# KiCad board shimarray.kicad_pcb (continued)
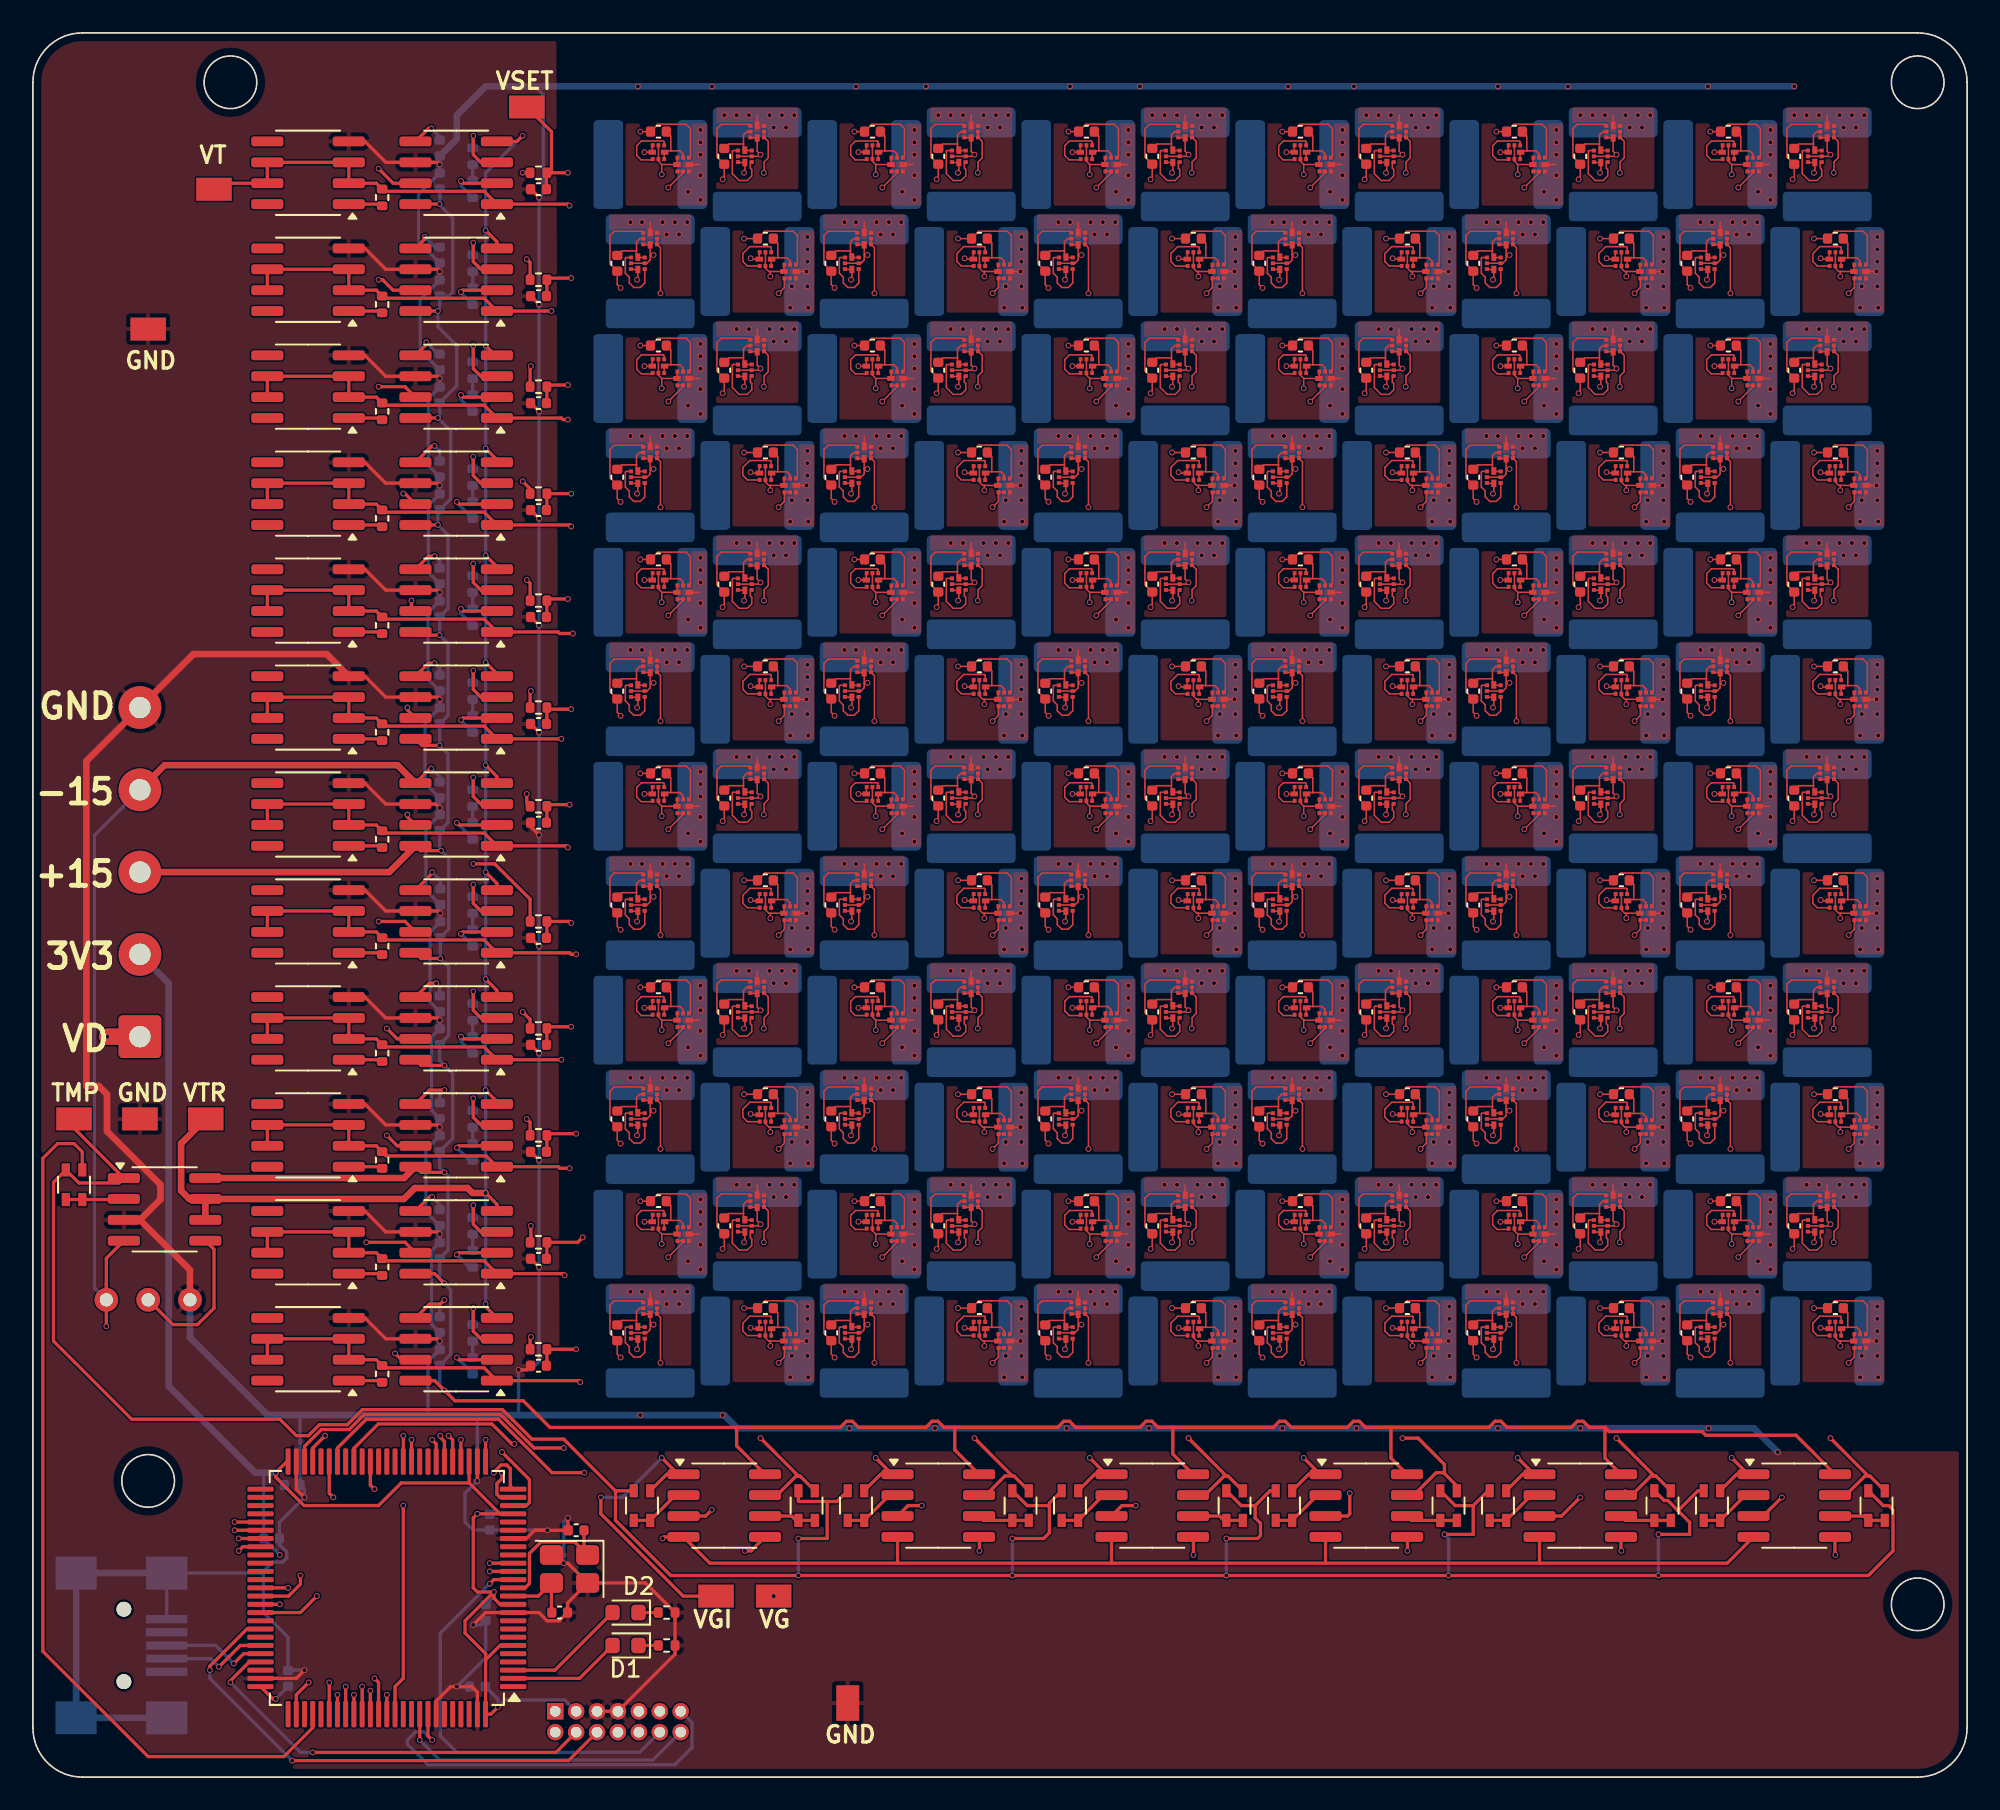
[diagram p0: board, top side]
## Routing (per net, layer and track width the routed paths; a pad name or vN(x,y) marks a point on that pad's centre or on a via; arc(x,y) is an arc through that point) (continued)
  Top w0.09: 62.67,40.75 62.67,41.3 62.87,41.5 Q214.4 ; 62.67,40.75 62.67,40.38 62.69,40.35 63.09,40.35 ; 62.67,40.75 61.77,40.75 C147.1
Net-(Q215A-S): length 3.7
  Top w0.09: Q215.3 63.6,46.28 62.96,46.28 62.68,46.56 62.68,47.14 62.97,47.43 64.3,47.43 64.35,47.38 Q215.1
Net-(Q216B-G): length 3.1
  Top w0.09: 64.75,46.83 65.3,46.83 65.5,46.63 Q216.4 ; 64.75,46.83 64.38,46.83 64.35,46.81 64.35,46.41 ; 64.75,46.83 64.75,47.73 C148.1
Net-(Q217A-S): length 4
  Top w0.09: 82.59,46.15 82.59,45.78 82.67,45.69 82.67,45.31 82.39,45.03 81.91,45.03 81.49,45.45 81.49,46.8 81.53,46.85 81.75,46.85
Net-(Q218B-G): length 3.1
  Top w0.09: C149.1 81.27,47.25 82.17,47.25 ; 82.59,46.85 82.19,46.85 82.17,46.88 82.17,47.25 ; 82.17,47.25 82.17,47.8 82.37,48 Q218.4
Net-(Q219A-S): length 3.8
  Top w0.09: 83.15,39.91 83.06,39.83 82.41,39.83 82.13,40.11 82.13,40.59 82.55,41.01 83.8,41.01 83.85,40.97 83.85,40.75
Net-(Q220B-G): length 3.1
  Top w0.09: 84.25,40.33 84.25,41.23 C150.1 ; 84.25,40.33 83.88,40.33 83.85,40.31 83.85,39.91 ; 84.25,40.33 84.8,40.33 85,40.13 Q220.4
Net-(Q221A-S): length 3.9
  Top w0.09: 76.09,39.65 76.17,39.56 76.17,38.81 75.89,38.53 75.51,38.53 75.23,38.81 75.23,39.16 74.99,39.4 74.99,40.3 75.03,40.35 75.25,40.35
Net-(Q222B-G): length 3.1
  Top w0.09: C151.1 74.77,40.75 75.67,40.75 ; 75.67,40.75 75.67,41.3 75.87,41.5 Q222.4 ; 75.67,40.75 75.67,40.38 75.69,40.35 76.09,40.35
Net-(Q223A-S): length 3.7
  Top w0.09: Q223.1 77.35,47.38 77.3,47.43 75.97,47.43 75.68,47.14 75.68,46.56 75.96,46.28 76.6,46.28 Q223.3
Net-(Q224B-G): length 3.1
  Top w0.09: 77.75,46.83 78.3,46.83 78.5,46.63 Q224.4 ; 77.75,46.83 77.75,47.73 C152.1 ; 77.75,46.83 77.38,46.83 77.35,46.81 77.35,46.41
Net-(Q225A-S): length 4
  Top w0.09: 94.75,46.85 94.53,46.85 94.49,46.8 94.49,45.45 94.91,45.03 95.39,45.03 95.67,45.31 95.67,45.69 95.59,45.78 95.59,46.15
Net-(Q226B-G): length 3.1
  Top w0.09: 95.59,46.85 95.19,46.85 95.17,46.88 95.17,47.25 ; 95.17,47.25 94.27,47.25 C153.1 ; 95.17,47.25 95.17,47.8 95.37,48 Q226.4
Net-(Q227A-S): length 3.8
  Top w0.09: 96.15,39.91 96.06,39.83 95.41,39.83 95.13,40.11 95.13,40.59 95.55,41.01 96.8,41.01 96.85,40.97 96.85,40.75
Net-(Q228B-G): length 3.1
  Top w0.09: 97.25,40.33 97.25,41.23 C154.1 ; 97.25,40.33 96.88,40.33 96.85,40.31 96.85,39.91 ; 97.25,40.33 97.8,40.33 98,40.13 Q228.4
Net-(Q229A-S): length 3.9
  Top w0.09: 88.25,40.35 88.03,40.35 87.99,40.3 87.99,39.4 88.23,39.16 88.23,38.81 88.51,38.53 88.89,38.53 89.17,38.81 89.17,39.56 89.09,39.65
Net-(Q230B-G): length 3.1
  Top w0.09: Q230.4 88.87,41.5 88.67,41.3 88.67,40.75 ; 88.67,40.75 88.67,40.38 88.69,40.35 89.09,40.35 ; 88.67,40.75 87.77,40.75 C155.1
Net-(Q231A-S): length 3.7
  Top w0.09: Q231.1 90.35,47.38 90.3,47.43 88.97,47.43 88.68,47.14 88.68,46.56 88.96,46.28 89.6,46.28 Q231.3
Net-(Q232B-G): length 3.1
  Top w0.09: Q232.4 91.5,46.63 91.3,46.83 90.75,46.83 ; C156.1 90.75,47.73 90.75,46.83 ; 90.75,46.83 90.38,46.83 90.35,46.81 90.35,46.41
Net-(Q233A-S): length 4
  Top w0.09: 107.75,46.85 107.53,46.85 107.49,46.8 107.49,45.45 107.91,45.03 108.39,45.03 108.67,45.31 108.67,45.69 108.59,45.78 108.59,46.15
Net-(Q234B-G): length 3.1
  Top w0.09: 108.17,47.25 108.17,46.88 108.19,46.85 108.59,46.85 ; 108.17,47.25 108.17,47.8 108.37,48 Q234.4 ; 108.17,47.25 107.27,47.25 C161.1
Net-(Q235A-S): length 3.8
  Top w0.09: 109.85,40.75 109.85,40.97 109.8,41.01 108.55,41.01 108.13,40.59 108.13,40.11 108.41,39.83 109.06,39.83 109.15,39.91
Net-(Q236B-G): length 3.1
  Top w0.09: 110.25,40.33 109.88,40.33 109.85,40.31 109.85,39.91 ; 110.25,40.33 110.8,40.33 111,40.13 Q236.4 ; 110.25,40.33 110.25,41.23 C162.1
Net-(Q237A-S): length 3.9
  Top w0.09: 101.25,40.35 101.03,40.35 100.99,40.3 100.99,39.4 101.23,39.16 101.23,38.81 101.51,38.53 101.89,38.53 102.17,38.81 102.17,39.56 102.09,39.65
Net-(Q238B-G): length 3.1
  Top w0.09: Q238.4 101.87,41.5 101.67,41.3 101.67,40.75 ; C163.1 100.77,40.75 101.67,40.75 ; 102.09,40.35 101.69,40.35 101.67,40.38 101.67,40.75
Net-(Q239A-S): length 3.7
  Top w0.09: Q239.3 102.6,46.28 101.96,46.28 101.68,46.56 101.68,47.14 101.97,47.43 103.3,47.43 103.35,47.38 Q239.1
Net-(Q240B-G): length 3.1
  Top w0.09: 103.75,46.83 104.3,46.83 104.5,46.63 Q240.4 ; 103.75,46.83 103.75,47.73 C164.1 ; 103.75,46.83 103.38,46.83 103.35,46.81 103.35,46.41
Net-(Q241A-S): length 4
  Top w0.09: 42.75,33.85 42.53,33.85 42.49,33.8 42.49,32.45 42.91,32.03 43.39,32.03 43.67,32.31 43.67,32.69 43.59,32.78 43.59,33.15
Net-(Q242B-G): length 3.1
  Top w0.09: Q242.4 43.37,35 43.17,34.8 43.17,34.25 ; 43.59,33.85 43.19,33.85 43.17,33.88 43.17,34.25 ; 43.17,34.25 42.27,34.25 C165.1
Net-(Q243A-S): length 3.8
  Top w0.09: 44.85,27.75 44.85,27.97 44.8,28.01 43.55,28.01 43.13,27.59 43.13,27.11 43.41,26.83 44.06,26.83 44.15,26.91
Net-(Q244B-G): length 3.1
  Top w0.09: 45.25,27.33 45.25,28.23 C166.1 ; 45.25,27.33 44.88,27.33 44.85,27.31 44.85,26.91 ; 45.25,27.33 45.8,27.33 46,27.13 Q244.4
Net-(Q245A-S): length 3.9
  Top w0.09: 36.25,27.35 36.03,27.35 35.99,27.3 35.99,26.4 36.23,26.16 36.23,25.81 36.51,25.53 36.89,25.53 37.17,25.81 37.17,26.56 37.09,26.65
Net-(Q246B-G): length 3.1
  Top w0.09: 36.67,27.75 36.67,28.3 36.87,28.5 Q246.4 ; 36.67,27.75 35.77,27.75 C167.1 ; 36.67,27.75 36.67,27.38 36.69,27.35 37.09,27.35
Net-(Q247A-S): length 3.7
  Top w0.09: Q247.1 38.35,34.38 38.3,34.43 36.97,34.43 36.68,34.14 36.68,33.56 36.96,33.28 37.6,33.28 Q247.3
Net-(Q248B-G): length 3.1
  Top w0.09: 38.35,33.41 38.35,33.81 38.38,33.83 38.75,33.83 ; Q248.4 39.5,33.63 39.3,33.83 38.75,33.83 ; 38.75,33.83 38.75,34.73 C168.1
Net-(Q249A-S): length 4
  Top w0.09: 56.59,33.15 56.59,32.78 56.67,32.69 56.67,32.31 56.39,32.03 55.91,32.03 55.49,32.45 55.49,33.8 55.53,33.85 55.75,33.85
Net-(Q250B-G): length 3.1
  Top w0.09: 56.17,34.25 56.17,33.88 56.19,33.85 56.59,33.85 ; 56.17,34.25 55.27,34.25 C169.1 ; 56.17,34.25 56.17,34.8 56.37,35 Q250.4
Net-(Q251A-S): length 3.8
  Top w0.09: 57.15,26.91 57.06,26.83 56.41,26.83 56.13,27.11 56.13,27.59 56.55,28.01 57.8,28.01 57.85,27.97 57.85,27.75
Net-(Q252B-G): length 3.1
  Top w0.09: Q252.4 59,27.13 58.8,27.33 58.25,27.33 ; 57.85,26.91 57.85,27.31 57.88,27.33 58.25,27.33 ; 58.25,27.33 58.25,28.23 C170.1
Net-(Q253A-S): length 3.9
  Top w0.09: 49.25,27.35 49.03,27.35 48.99,27.3 48.99,26.4 49.23,26.16 49.23,25.81 49.51,25.53 49.89,25.53 50.17,25.81 50.17,26.56 50.09,26.65
Net-(Q254B-G): length 3.1
  Top w0.09: Q254.4 49.87,28.5 49.67,28.3 49.67,27.75 ; 49.67,27.75 48.77,27.75 C171.1 ; 49.67,27.75 49.67,27.38 49.69,27.35 50.09,27.35
Net-(Q255A-S): length 3.7
  Top w0.09: Q255.3 50.6,33.28 49.96,33.28 49.68,33.56 49.68,34.14 49.97,34.43 51.3,34.43 51.35,34.38 Q255.1
Net-(Q256B-G): length 3.1
  Top w0.09: 51.75,33.83 52.3,33.83 52.5,33.63 Q256.4 ; 51.75,33.83 51.75,34.73 C172.1 ; 51.75,33.83 51.38,33.83 51.35,33.81 51.35,33.41
Net-(Q257A-S): length 4
  Top w0.09: 69.59,33.15 69.59,32.78 69.67,32.69 69.67,32.31 69.39,32.03 68.91,32.03 68.49,32.45 68.49,33.8 68.53,33.85 68.75,33.85
Net-(Q258B-G): length 3.1
  Top w0.09: 69.17,34.25 69.17,34.8 69.37,35 Q258.4 ; 69.17,34.25 68.27,34.25 C173.1 ; 69.17,34.25 69.17,33.88 69.19,33.85 69.59,33.85
Net-(Q259A-S): length 3.8
  Top w0.09: 70.85,27.75 70.85,27.97 70.8,28.01 69.55,28.01 69.13,27.59 69.13,27.11 69.41,26.83 70.06,26.83 70.15,26.91
Net-(Q260B-G): length 3.1
  Top w0.09: 70.85,26.91 70.85,27.31 70.88,27.33 71.25,27.33 ; C174.1 71.25,28.23 71.25,27.33 ; 71.25,27.33 71.8,27.33 72,27.13 Q260.4
Net-(Q261A-S): length 3.9
  Top w0.09: 63.09,26.65 63.17,26.56 63.17,25.81 62.89,25.53 62.51,25.53 62.23,25.81 62.23,26.16 61.99,26.4 61.99,27.3 62.03,27.35 62.25,27.35
Net-(Q262B-G): length 3.1
  Top w0.09: 62.67,27.75 62.67,27.38 62.69,27.35 63.09,27.35 ; 62.67,27.75 61.77,27.75 C175.1 ; 62.67,27.75 62.67,28.3 62.87,28.5 Q262.4
Net-(Q263A-S): length 3.7
  Top w0.09: Q263.1 64.35,34.38 64.3,34.43 62.97,34.43 62.68,34.14 62.68,33.56 62.96,33.28 63.6,33.28 Q263.3
Net-(Q264B-G): length 3.1
  Top w0.09: C176.1 64.75,34.73 64.75,33.83 ; 64.75,33.83 64.38,33.83 64.35,33.81 64.35,33.41 ; 64.75,33.83 65.3,33.83 65.5,33.63 Q264.4
Net-(Q265A-S): length 4
  Top w0.09: 82.59,33.15 82.59,32.78 82.67,32.69 82.67,32.31 82.39,32.03 81.91,32.03 81.49,32.45 81.49,33.8 81.53,33.85 81.75,33.85
Net-(Q266B-G): length 3.1
  Top w0.09: 82.17,34.25 82.17,33.88 82.19,33.85 82.59,33.85 ; 82.17,34.25 81.27,34.25 C177.1 ; 82.17,34.25 82.17,34.8 82.37,35 Q266.4
Net-(Q267A-S): length 3.8
  Top w0.09: 83.15,26.91 83.06,26.83 82.41,26.83 82.13,27.11 82.13,27.59 82.55,28.01 83.8,28.01 83.85,27.97 83.85,27.75
Net-(Q268B-G): length 3.1
  Top w0.09: 84.25,27.33 84.8,27.33 85,27.13 Q268.4 ; 84.25,27.33 83.88,27.33 83.85,27.31 83.85,26.91 ; 84.25,27.33 84.25,28.23 C178.1
Net-(Q269A-S): length 3.9
  Top w0.09: 75.25,27.35 75.03,27.35 74.99,27.3 74.99,26.4 75.23,26.16 75.23,25.81 75.51,25.53 75.89,25.53 76.17,25.81 76.17,26.56 76.09,26.65
Net-(Q270B-G): length 3.1
  Top w0.09: Q270.4 75.87,28.5 75.67,28.3 75.67,27.75 ; 75.67,27.75 75.67,27.38 75.69,27.35 76.09,27.35 ; 75.67,27.75 74.77,27.75 C179.1
Net-(Q271A-S): length 3.7
  Top w0.09: Q271.1 77.35,34.38 77.3,34.43 75.97,34.43 75.68,34.14 75.68,33.56 75.96,33.28 76.6,33.28 Q271.3
Net-(Q272B-G): length 3.1
  Top w0.09: 77.75,33.83 77.75,34.73 C180.1 ; 77.75,33.83 77.38,33.83 77.35,33.81 77.35,33.41 ; 77.75,33.83 78.3,33.83 78.5,33.63 Q272.4
Net-(Q273A-S): length 4
  Top w0.09: 94.75,33.85 94.53,33.85 94.49,33.8 94.49,32.45 94.91,32.03 95.39,32.03 95.67,32.31 95.67,32.69 95.59,32.78 95.59,33.15
Net-(Q274B-G): length 3.1
  Top w0.09: C181.1 94.27,34.25 95.17,34.25 ; 95.17,34.25 95.17,33.88 95.19,33.85 95.59,33.85 ; 95.17,34.25 95.17,34.8 95.37,35 Q274.4
Net-(Q275A-S): length 3.8
  Top w0.09: 96.15,26.91 96.06,26.83 95.41,26.83 95.13,27.11 95.13,27.59 95.55,28.01 96.8,28.01 96.85,27.97 96.85,27.75
Net-(Q276B-G): length 3.1
  Top w0.09: 97.25,27.33 96.88,27.33 96.85,27.31 96.85,26.91 ; 97.25,27.33 97.25,28.23 C182.1 ; 97.25,27.33 97.8,27.33 98,27.13 Q276.4
Net-(Q277A-S): length 3.9
  Top w0.09: 89.09,26.65 89.17,26.56 89.17,25.81 88.89,25.53 88.51,25.53 88.23,25.81 88.23,26.16 87.99,26.4 87.99,27.3 88.03,27.35 88.25,27.35
Net-(Q278B-G): length 3.1
  Top w0.09: 88.67,27.75 88.67,28.3 88.87,28.5 Q278.4 ; 88.67,27.75 88.67,27.38 88.69,27.35 89.09,27.35 ; 88.67,27.75 87.77,27.75 C183.1
Net-(Q279A-S): length 3.7
  Top w0.09: Q279.3 89.6,33.28 88.96,33.28 88.68,33.56 88.68,34.14 88.97,34.43 90.3,34.43 90.35,34.38 Q279.1
Net-(Q280B-G): length 3.1
  Top w0.09: 90.35,33.41 90.35,33.81 90.38,33.83 90.75,33.83 ; Q280.4 91.5,33.63 91.3,33.83 90.75,33.83 ; 90.75,33.83 90.75,34.73 C184.1
Net-(Q281A-S): length 4
  Top w0.09: 107.75,33.85 107.53,33.85 107.49,33.8 107.49,32.45 107.91,32.03 108.39,32.03 108.67,32.31 108.67,32.69 108.59,32.78 108.59,33.15
Net-(Q282B-G): length 3.1
  Top w0.09: 108.59,33.85 108.19,33.85 108.17,33.88 108.17,34.25 ; 108.17,34.25 108.17,34.8 108.37,35 Q282.4 ; 108.17,34.25 107.27,34.25 C185.1
Net-(Q283A-S): length 3.8
  Top w0.09: 109.85,27.75 109.85,27.97 109.8,28.01 108.55,28.01 108.13,27.59 108.13,27.11 108.41,26.83 109.06,26.83 109.15,26.91
Net-(Q284B-G): length 3.1
  Top w0.09: 110.25,27.33 110.25,28.23 C186.1 ; 110.25,27.33 110.8,27.33 111,27.13 Q284.4 ; 110.25,27.33 109.88,27.33 109.85,27.31 109.85,26.91
Net-(Q285A-S): length 3.9
  Top w0.09: 102.09,26.65 102.17,26.56 102.17,25.81 101.89,25.53 101.51,25.53 101.23,25.81 101.23,26.16 100.99,26.4 100.99,27.3 101.03,27.35 101.25,27.35
Net-(Q286B-G): length 3.1
  Top w0.09: 101.67,27.75 101.67,28.3 101.87,28.5 Q286.4 ; 101.67,27.75 101.67,27.38 101.69,27.35 102.09,27.35 ; 101.67,27.75 100.77,27.75 C187.1
Net-(Q287A-S): length 3.7
  Top w0.09: Q287.3 102.6,33.28 101.96,33.28 101.68,33.56 101.68,34.14 101.97,34.43 103.3,34.43 103.35,34.38 Q287.1
Net-(Q288B-G): length 3.1
  Top w0.09: 103.75,33.83 104.3,33.83 104.5,33.63 Q288.4 ; 103.75,33.83 103.38,33.83 103.35,33.81 103.35,33.41 ; 103.75,33.83 103.75,34.73 C188.1
Net-(R15-Pad1): length 1
  Bottom w0.2: R16.1 R15.1
Net-(R15-Pad2): length 3.6
  Top w0.2: v1(26,84) 26.13,83.86 U9.2
  Bottom w0.2: R15.2 26,83.7 v1(26,84)
Net-(R16-Pad2): length 4
  Top w0.2: U9.3 27.21,85.14 26.75,85.6 v1(26.75,87)
  Bottom w0.2: R16.2 26.75,86.05 v1(26.75,87)
Net-(R17-Pad1): length 2.1
  Top w0.2: U8.1 21.11,82.59 R17.1
Net-(R18-Pad1): length 1
  Bottom w0.2: R19.1 R18.1
Net-(R18-Pad2): length 3.9
  Top w0.2: v1(25.75,77.5) 25.88,77.37 U11.2
  Bottom w0.2: v1(25.75,77.5) 25.75,77.45 R18.2
Net-(R19-Pad2): length 3.5
  Top w0.2: U11.3 27.21,78.63 26.75,79.1 v1(26.75,80.25)
  Bottom w0.2: R19.2 26.75,79.55 v1(26.75,80.25)
Net-(R20-Pad1): length 2.1
  Top w0.2: R20.1 21.11,76.09 U10.1
Net-(R21-Pad1): length 1
  Bottom w0.2: R22.1 R21.1
Net-(R21-Pad2): length 3.6
  Top w0.2: U13.2 26.13,70.87 v1(26,71)
  Bottom w0.2: v1(26,71) 26,70.7 R21.2
Net-(R22-Pad2): length 3.5
  Top w0.2: v1(26.75,73.75) 26.75,72.6 27.21,72.13 U13.3
  Bottom w0.2: R22.2 26.75,73.05 v1(26.75,73.75)
Net-(R23-Pad1): length 2.1
  Top w0.2: R23.1 21.11,69.59 U12.1
Net-(R24-Pad1): length 1
  Bottom w0.2: R25.1 R24.1
Net-(R24-Pad2): length 3.3
  Top w0.2: v1(26,64.25) 26.12,64.37 U15.2
  Bottom w0.2: v1(26,64.25) 26,64.2 R24.2
Net-(R25-Pad2): length 3.5
  Top w0.2: U15.3 27.21,65.63 26.75,66.1 v1(26.75,67.25)
  Bottom w0.2: R25.2 26.75,66.55 v1(26.75,67.25)
Net-(R26-Pad1): length 2.1
  Top w0.2: R26.1 21.11,63.09 U14.1
Net-(R27-Pad1): length 1
  Bottom w0.2: R28.1 R27.1
Net-(R27-Pad2): length 3.9
  Top w0.2: U17.2 25.88,57.87 v1(25.75,58)
  Bottom w0.2: R27.2 26.71,57.04 v1(25.75,58)
Net-(R28-Pad2): length 3.5
  Top w0.2: U17.3 27.21,59.13 26.75,59.6 v1(26.75,60.75)
  Bottom w0.2: R28.2 26.75,60.05 v1(26.75,60.75)
Net-(R29-Pad1): length 2.1
  Top w0.2: U16.1 21.11,56.59 R29.1
Net-(R30-Pad1): length 1
  Bottom w0.2: R31.1 R30.1
Net-(R30-Pad2): length 3.3
  Top w0.2: v1(26,51.25) 26.12,51.37 U19.2
  Bottom w0.2: v1(26,51.25) 26.71,50.54 R30.2
Net-(R31-Pad2): length 3.5
  Top w0.2: U19.3 27.21,52.63 26.75,53.1 v1(26.75,54.25)
  Bottom w0.2: R31.2 26.75,53.55 v1(26.75,54.25)
Net-(R32-Pad1): length 2.1
  Top w0.2: U18.1 21.11,50.09 R32.1
Net-(R33-Pad1): length 1
  Bottom w0.2: R34.1 R33.1
Net-(R33-Pad2): length 3.6
  Top w0.2: U21.2 26.13,44.87 v1(26,45)
  Bottom w0.2: R33.2 26,44.7 v1(26,45)
Net-(R34-Pad2): length 3.5
  Top w0.2: U21.3 27.21,46.13 26.75,46.6 v1(26.75,47.75)
  Bottom w0.2: R34.2 26.75,47.05 v1(26.75,47.75)
Net-(R35-Pad1): length 2.1
  Top w0.2: U20.1 21.11,43.59 R35.1
Net-(R36-Pad1): length 1
  Bottom w0.2: R37.1 R36.1
Net-(R36-Pad2): length 3.8
  Top w0.2: v1(25.75,38.25) 25.87,38.37 U23.2
  Bottom w0.2: v1(25.75,38.25) 26.51,37.49 R36.2
Net-(R37-Pad2): length 3.5
  Top w0.2: U23.3 27.21,39.63 26.75,40.1 v1(26.75,41.25)
  Bottom w0.2: v1(26.75,41.25) 26.75,40.55 R37.2
Net-(R38-Pad1): length 2.1
  Top w0.2: U22.1 21.11,37.09 R38.1
Net-(R39-Pad1): length 1
  Bottom w0.2: R39.1 R40.1
Net-(R39-Pad2): length 3.8
  Top w0.2: U25.2 25.87,31.87 v1(25.75,31.75)
  Bottom w0.2: v1(25.75,31.75) 26.51,30.99 R39.2
Net-(R40-Pad2): length 3.5
  Top w0.2: U25.3 27.21,33.13 26.75,33.6 v1(26.75,34.75)
  Bottom w0.2: R40.2 26.75,34.05 v1(26.75,34.75)
Net-(R41-Pad1): length 2.1
  Top w0.2: U24.1 21.11,30.59 R41.1
Net-(R42-Pad1): length 1
  Bottom w0.2: R43.1 R42.1
Net-(R42-Pad2): length 3.9
  Top w0.2: v1(25.75,25.5) 25.88,25.37 U27.2
  Bottom w0.2: v1(25.75,25.5) 26.71,24.54 R42.2
Net-(R43-Pad2): length 4
  Top w0.2: U27.3 27.21,26.63 26.75,27.1 v1(26.75,28.5)
  Bottom w0.2: v1(26.75,28.5) 26.75,27.55 R43.2
Net-(R44-Pad1): length 2.1
  Top w0.2: R44.1 21.11,24.09 U26.1
Net-(R45-Pad1): length 1
  Bottom w0.2: R46.1 R45.1
Net-(R45-Pad2): length 3.6
  Top w0.2: v1(26,97) 26.13,96.86 U30.2
  Bottom w0.2: v1(26,97) 26,96.7 R45.2
Net-(R46-Pad2): length 3.5
  Top w0.2: U30.3 27.21,98.14 26.75,98.6 v1(26.75,99.75)
  Bottom w0.2: R46.2 26.75,99.05 v1(26.75,99.75)
Net-(R47-Pad1): length 2.1
  Top w0.2: R47.1 21.11,95.59 U29.1
Net-(R48-Pad1): length 1
  Bottom w0.2: R49.1 R48.1
Net-(R48-Pad2): length 3.3
  Top w0.2: v1(26,90.25) 26.12,90.36 U32.2
  Bottom w0.2: R48.2 26,90.2 v1(26,90.25)
Net-(R49-Pad2): length 3.5
  Top w0.2: v1(26.75,93.25) 26.75,92.1 27.21,91.64 U32.3
  Bottom w0.2: R49.2 26.75,92.55 v1(26.75,93.25)
Net-(R50-Pad1): length 2.1
  Top w0.2: U31.1 21.11,89.09 R50.1
Net-(RN1-R1.1): length 3.5
  Top w0.2: RN1.1 5.49,35.1 U2.2
Net-(RN2-R1.2): length 3.7
  Top w0.2: U3.2 52.03,17.13 RN2.4 RN2.3
Net-(RN3-R1.2): length 3.1
  Top w0.2: U3.6 57.74,15.6 RN3.3 RN3.4
Net-(RN4-R1.2): length 3.7
  Top w0.2: U4.2 65.03,17.13 RN4.4 RN4.3
Net-(RN5-R1.2): length 3.1
  Top w0.2: RN5.4 RN5.3 72.35,15.6 72.09,15.87 U4.6
Net-(RN6-R1.2): length 3.8
  Top w0.2: 78.64,17.25 U5.2 78.03,17.13 RN6.4 RN6.3
Net-(RN7-R1.2): length 3.1
  Top w0.2: RN7.4 RN7.3 83.74,15.6 U5.6
Net-(RN8-R1.2): length 3.4
  Top w0.2: RN8.3 RN8.4 91.03,17.13 91.23,17.13
Net-(RN9-R1.2): length 3.1
  Top w0.2: U6.6 96.74,15.6 RN9.3 RN9.4
Net-(RN10-R1.2): length 3.7
  Top w0.2: U7.2 104.03,17.13 RN10.4 RN10.3
Net-(RN11-R1.2): length 3.1
  Top w0.2: RN11.4 RN11.3 111.24,15.87 U7.6
Net-(RN12-R1.2): length 3.7
  Top w0.2: RN12.3 RN12.4 39.03,17.13 U28.2
Net-(RN13-R1.2): length 3.1
  Top w0.2: U28.6 46.09,15.87 46.35,15.6 RN13.3 RN13.4
Net-(U1-OSC_IN): length 4.5
  Top w0.2: C1.1 31.5,10.02 Y1.3 30.7,11 U1.12
Net-(U1-OSC_OUT): length 8.7
  Top w0.2: U1.13 29.9,11.5 30.17,11.77 30.17,13.6 30.86,14.29 32.91,14.29 Y1.1 33.48,13.72 C2.1
Net-(U2B-+): length 9.4
  Top w0.2: RV1.2 8.5,27.5 10,27.5 11,28.5 11,32.07 U2.5

## Copper pours and planes (outline as drawn; the poured copper is in the pictures)
GND on Top, Bottom: 0,106 31.8,106 32,19.8 117.6,19.8 117.6,0 0,0
VD on Top: 105,69 100,69 100,64 105,64
VD on Top: 98.5,36.5 93.5,36.5 93.5,31.5 98.5,31.5
VD on Top: 105,43 100,43 100,38 105,38
VD on Top: 59.5,75.5 54.5,75.5 54.5,70.5 59.5,70.5
VD on Top: 73.5,89 73.5,94 68.5,94 68.5,89
VD on Top: 112.5,24 112.5,29 107.5,29 107.5,24
VD on Top: 46.5,88.5 41.5,88.5 41.5,83.5 46.5,83.5
VD on Top: 40,82 35,82 35,77 40,77
VD on Top: 92,43 87,43 87,38 92,38
VD on Top: 66,82 61,82 61,77 66,77
VD on Top: 66,30 61,30 61,25 66,25
VD on Top: 73.5,37 73.5,42 68.5,42 68.5,37
VD on Top: 40,43 35,43 35,38 40,38
VD on Top: 41,30.5 41,35.5 36,35.5 36,30.5
VD on Top: 93,30.5 93,35.5 88,35.5 88,30.5
VD on Top: 67,69.5 67,74.5 62,74.5 62,69.5
VD on Top: 92,95 87,95 87,90 92,90
VD on Top: 53,43 48,43 48,38 53,38
VD on Top: 72.5,75.5 67.5,75.5 67.5,70.5 72.5,70.5
VD on Top: 47.5,24 47.5,29 42.5,29 42.5,24
VD on Top: 111.5,62.5 106.5,62.5 106.5,57.5 111.5,57.5
VD on Top: 73.5,76 73.5,81 68.5,81 68.5,76
VD on Top: 79,95 74,95 74,90 79,90
VD on Top: 41,69.5 41,74.5 36,74.5 36,69.5
VD on Top: 86.5,63 86.5,68 81.5,68 81.5,63
VD on Top: 40,69 35,69 35,64 40,64
VD on Top: 111.5,101.5 106.5,101.5 106.5,96.5 111.5,96.5
VD on Top: 72.5,62.5 67.5,62.5 67.5,57.5 72.5,57.5
VD on Top: 53,95 48,95 48,90 53,90
VD on Top: 47.5,76 47.5,81 42.5,81 42.5,76
VD on Top: 60.5,89 60.5,94 55.5,94 55.5,89
VD on Top: 53,69 48,69 48,64 53,64
VD on Top: 112.5,50 112.5,55 107.5,55 107.5,50
VD on Top: 53,30 48,30 48,25 53,25
VD on Top: 60.5,63 60.5,68 55.5,68 55.5,63
VD on Top: 40,30 35,30 35,25 40,25
VD on Top: 105,56 100,56 100,51 105,51
VD on Top: 92,30 87,30 87,25 92,25
VD on Top: 54,69.5 54,74.5 49,74.5 49,69.5
VD on Top: 72.5,49.5 67.5,49.5 67.5,44.5 72.5,44.5
VD on Top: 67,95.5 67,100.5 62,100.5 62,95.5
VD on Top: 54,56.5 54,61.5 49,61.5 49,56.5
VD on Top: 66,69 61,69 61,64 66,64
VD on Top: 86.5,50 86.5,55 81.5,55 81.5,50
VD on Top: 92,56 87,56 87,51 92,51
VD on Top: 47.5,89 47.5,94 42.5,94 42.5,89
VD on Top: 86.5,37 86.5,42 81.5,42 81.5,37
VD on Top: 59.5,101.5 54.5,101.5 54.5,96.5 59.5,96.5
VD on Top: 59.5,88.5 54.5,88.5 54.5,83.5 59.5,83.5
VD on Top: 99.5,63 99.5,68 94.5,68 94.5,63
VD on Top: 79,56 74,56 74,51 79,51
VD on Top: 85.5,62.5 80.5,62.5 80.5,57.5 85.5,57.5
VD on Top: 93,56.5 93,61.5 88,61.5 88,56.5
VD on Top: 99.5,37 99.5,42 94.5,42 94.5,37
VD on Top: 105,30 100,30 100,25 105,25
VD on Top: 47.5,63 47.5,68 42.5,68 42.5,63
VD on Top: 73.5,63 73.5,68 68.5,68 68.5,63
VD on Top: 99.5,50 99.5,55 94.5,55 94.5,50
VD on Top: 98.5,62.5 93.5,62.5 93.5,57.5 98.5,57.5
VD on Top: 105,95 100,95 100,90 105,90
VD on Top: 111.5,49.5 106.5,49.5 106.5,44.5 111.5,44.5
VD on Top: 54,43.5 54,48.5 49,48.5 49,43.5
VD on Top: 41,56.5 41,61.5 36,61.5 36,56.5
VD on Top: 79,69 74,69 74,64 79,64
VD on Top: 80,56.5 80,61.5 75,61.5 75,56.5
VD on Top: 59.5,49.5 54.5,49.5 54.5,44.5 59.5,44.5
VD on Top: 46.5,75.5 41.5,75.5 41.5,70.5 46.5,70.5
VD on Top: 46.5,36.5 41.5,36.5 41.5,31.5 46.5,31.5
VD on Top: 93,43.5 93,48.5 88,48.5 88,43.5
VD on Top: 93,82.5 93,87.5 88,87.5 88,82.5
VD on Top: 112.5,89 112.5,94 107.5,94 107.5,89
VD on Top: 41,43.5 41,48.5 36,48.5 36,43.5
VD on Top: 99.5,76 99.5,81 94.5,81 94.5,76
VD on Top: 54,82.5 54,87.5 49,87.5 49,82.5
VD on Top: 41,82.5 41,87.5 36,87.5 36,82.5
VD on Top: 106,56.5 106,61.5 101,61.5 101,56.5
VD on Top: 53,82 48,82 48,77 53,77
VD on Top: 86.5,76 86.5,81 81.5,81 81.5,76
VD on Top: 46.5,101.5 41.5,101.5 41.5,96.5 46.5,96.5
VD on Top: 40,56 35,56 35,51 40,51
VD on Top: 67,43.5 67,48.5 62,48.5 62,43.5
VD on Top: 98.5,75.5 93.5,75.5 93.5,70.5 98.5,70.5
VD on Top: 72.5,88.5 67.5,88.5 67.5,83.5 72.5,83.5
VD on Top: 112.5,76 112.5,81 107.5,81 107.5,76
VD on Top: 86.5,89 86.5,94 81.5,94 81.5,89
VD on Top: 106,69.5 106,74.5 101,74.5 101,69.5
VD on Top: 59.5,62.5 54.5,62.5 54.5,57.5 59.5,57.5
VD on Top: 85.5,75.5 80.5,75.5 80.5,70.5 85.5,70.5
VD on Top: 79,43 74,43 74,38 79,38
VD on Top: 99.5,24 99.5,29 94.5,29 94.5,24
VD on Top: 46.5,62.5 41.5,62.5 41.5,57.5 46.5,57.5
VD on Top: 79,30 74,30 74,25 79,25
VD on Top: 67,56.5 67,61.5 62,61.5 62,56.5
VD on Top: 111.5,36.5 106.5,36.5 106.5,31.5 111.5,31.5
VD on Top: 111.5,75.5 106.5,75.5 106.5,70.5 111.5,70.5
VD on Top: 67,82.5 67,87.5 62,87.5 62,82.5
VD on Top: 111.5,88.5 106.5,88.5 106.5,83.5 111.5,83.5
VD on Top: 80,43.5 80,48.5 75,48.5 75,43.5
VD on Top: 60.5,24 60.5,29 55.5,29 55.5,24
VD on Top: 112.5,63 112.5,68 107.5,68 107.5,63
VD on Top: 59.5,36.5 54.5,36.5 54.5,31.5 59.5,31.5
VD on Top: 60.5,37 60.5,42 55.5,42 55.5,37
VD on Top: 72.5,36.5 67.5,36.5 67.5,31.5 72.5,31.5
VD on Top: 79,82 74,82 74,77 79,77
VD on Top: 106,30.5 106,35.5 101,35.5 101,30.5
VD on Top: 112.5,37 112.5,42 107.5,42 107.5,37
VD on Top: 92,82 87,82 87,77 92,77
VD on Top: 85.5,36.5 80.5,36.5 80.5,31.5 85.5,31.5
VD on Top: 80,82.5 80,87.5 75,87.5 75,82.5
VD on Top: 46.5,49.5 41.5,49.5 41.5,44.5 46.5,44.5
VD on Top: 93,69.5 93,74.5 88,74.5 88,69.5
VD on Top: 67,30.5 67,35.5 62,35.5 62,30.5
VD on Top: 80,95.5 80,100.5 75,100.5 75,95.5
VD on Top: 41,95.5 41,100.5 36,100.5 36,95.5
VD on Top: 93,95.5 93,100.5 88,100.5 88,95.5
VD on Top: 40,95 35,95 35,90 40,90
VD on Top: 47.5,50 47.5,55 42.5,55 42.5,50
VD on Top: 85.5,88.5 80.5,88.5 80.5,83.5 85.5,83.5
VD on Top: 105,82 100,82 100,77 105,77
VD on Top: 47.5,37 47.5,42 42.5,42 42.5,37
VD on Top: 60.5,50 60.5,55 55.5,55 55.5,50
VD on Top: 80,69.5 80,74.5 75,74.5 75,69.5
VD on Top: 66,43 61,43 61,38 66,38
VD on Top: 73.5,50 73.5,55 68.5,55 68.5,50
VD on Top: 60.5,76 60.5,81 55.5,81 55.5,76
VD on Top: 54,30.5 54,35.5 49,35.5 49,30.5
VD on Top: 73.5,24 73.5,29 68.5,29 68.5,24
VD on Top: 86.5,24 86.5,29 81.5,29 81.5,24
VD on Top: 99.5,89 99.5,94 94.5,94 94.5,89
VD on Top: 106,95.5 106,100.5 101,100.5 101,95.5
VD on Top: 98.5,101.5 93.5,101.5 93.5,96.5 98.5,96.5
VD on Top: 98.5,88.5 93.5,88.5 93.5,83.5 98.5,83.5
VD on Top: 80,30.5 80,35.5 75,35.5 75,30.5
VD on Top: 72.5,101.5 67.5,101.5 67.5,96.5 72.5,96.5
VD on Top: 98.5,49.5 93.5,49.5 93.5,44.5 98.5,44.5
VD on Top: 54,95.5 54,100.5 49,100.5 49,95.5
VD on Top: 85.5,49.5 80.5,49.5 80.5,44.5 85.5,44.5
VD on Top: 66,95 61,95 61,90 66,90
VD on Top: 66,56 61,56 61,51 66,51
VD on Top: 106,43.5 106,48.5 101,48.5 101,43.5
VD on Top: 85.5,101.5 80.5,101.5 80.5,96.5 85.5,96.5
VD on Top: 53,56 48,56 48,51 53,51
VD on Top: 92,69 87,69 87,64 92,64
VD on Top: 106,82.5 106,87.5 101,87.5 101,82.5
VD on Bottom: 33.75,102.5 114.5,102.5 114.5,21.9 34.01,21.9

## Text on the board
F.Silkscreen: TMP | GND | VTR | VT | VSET | VGI | VG | -15 | +15 | 3V3 | VD
